# Altium PCB PCB1.PcbDoc (part 2 of 6)
Units mil, origin at the board's own origin, x right, y up, seen from the top; angles counter-clockwise.
Board outline 6000 x 4000 mil, 2 copper layers (Top Layer, Bottom Layer); 1225 components, 1503 nets, 4471 pads, 66 vias.
Unrouted connection lines stored in the file: 2021.
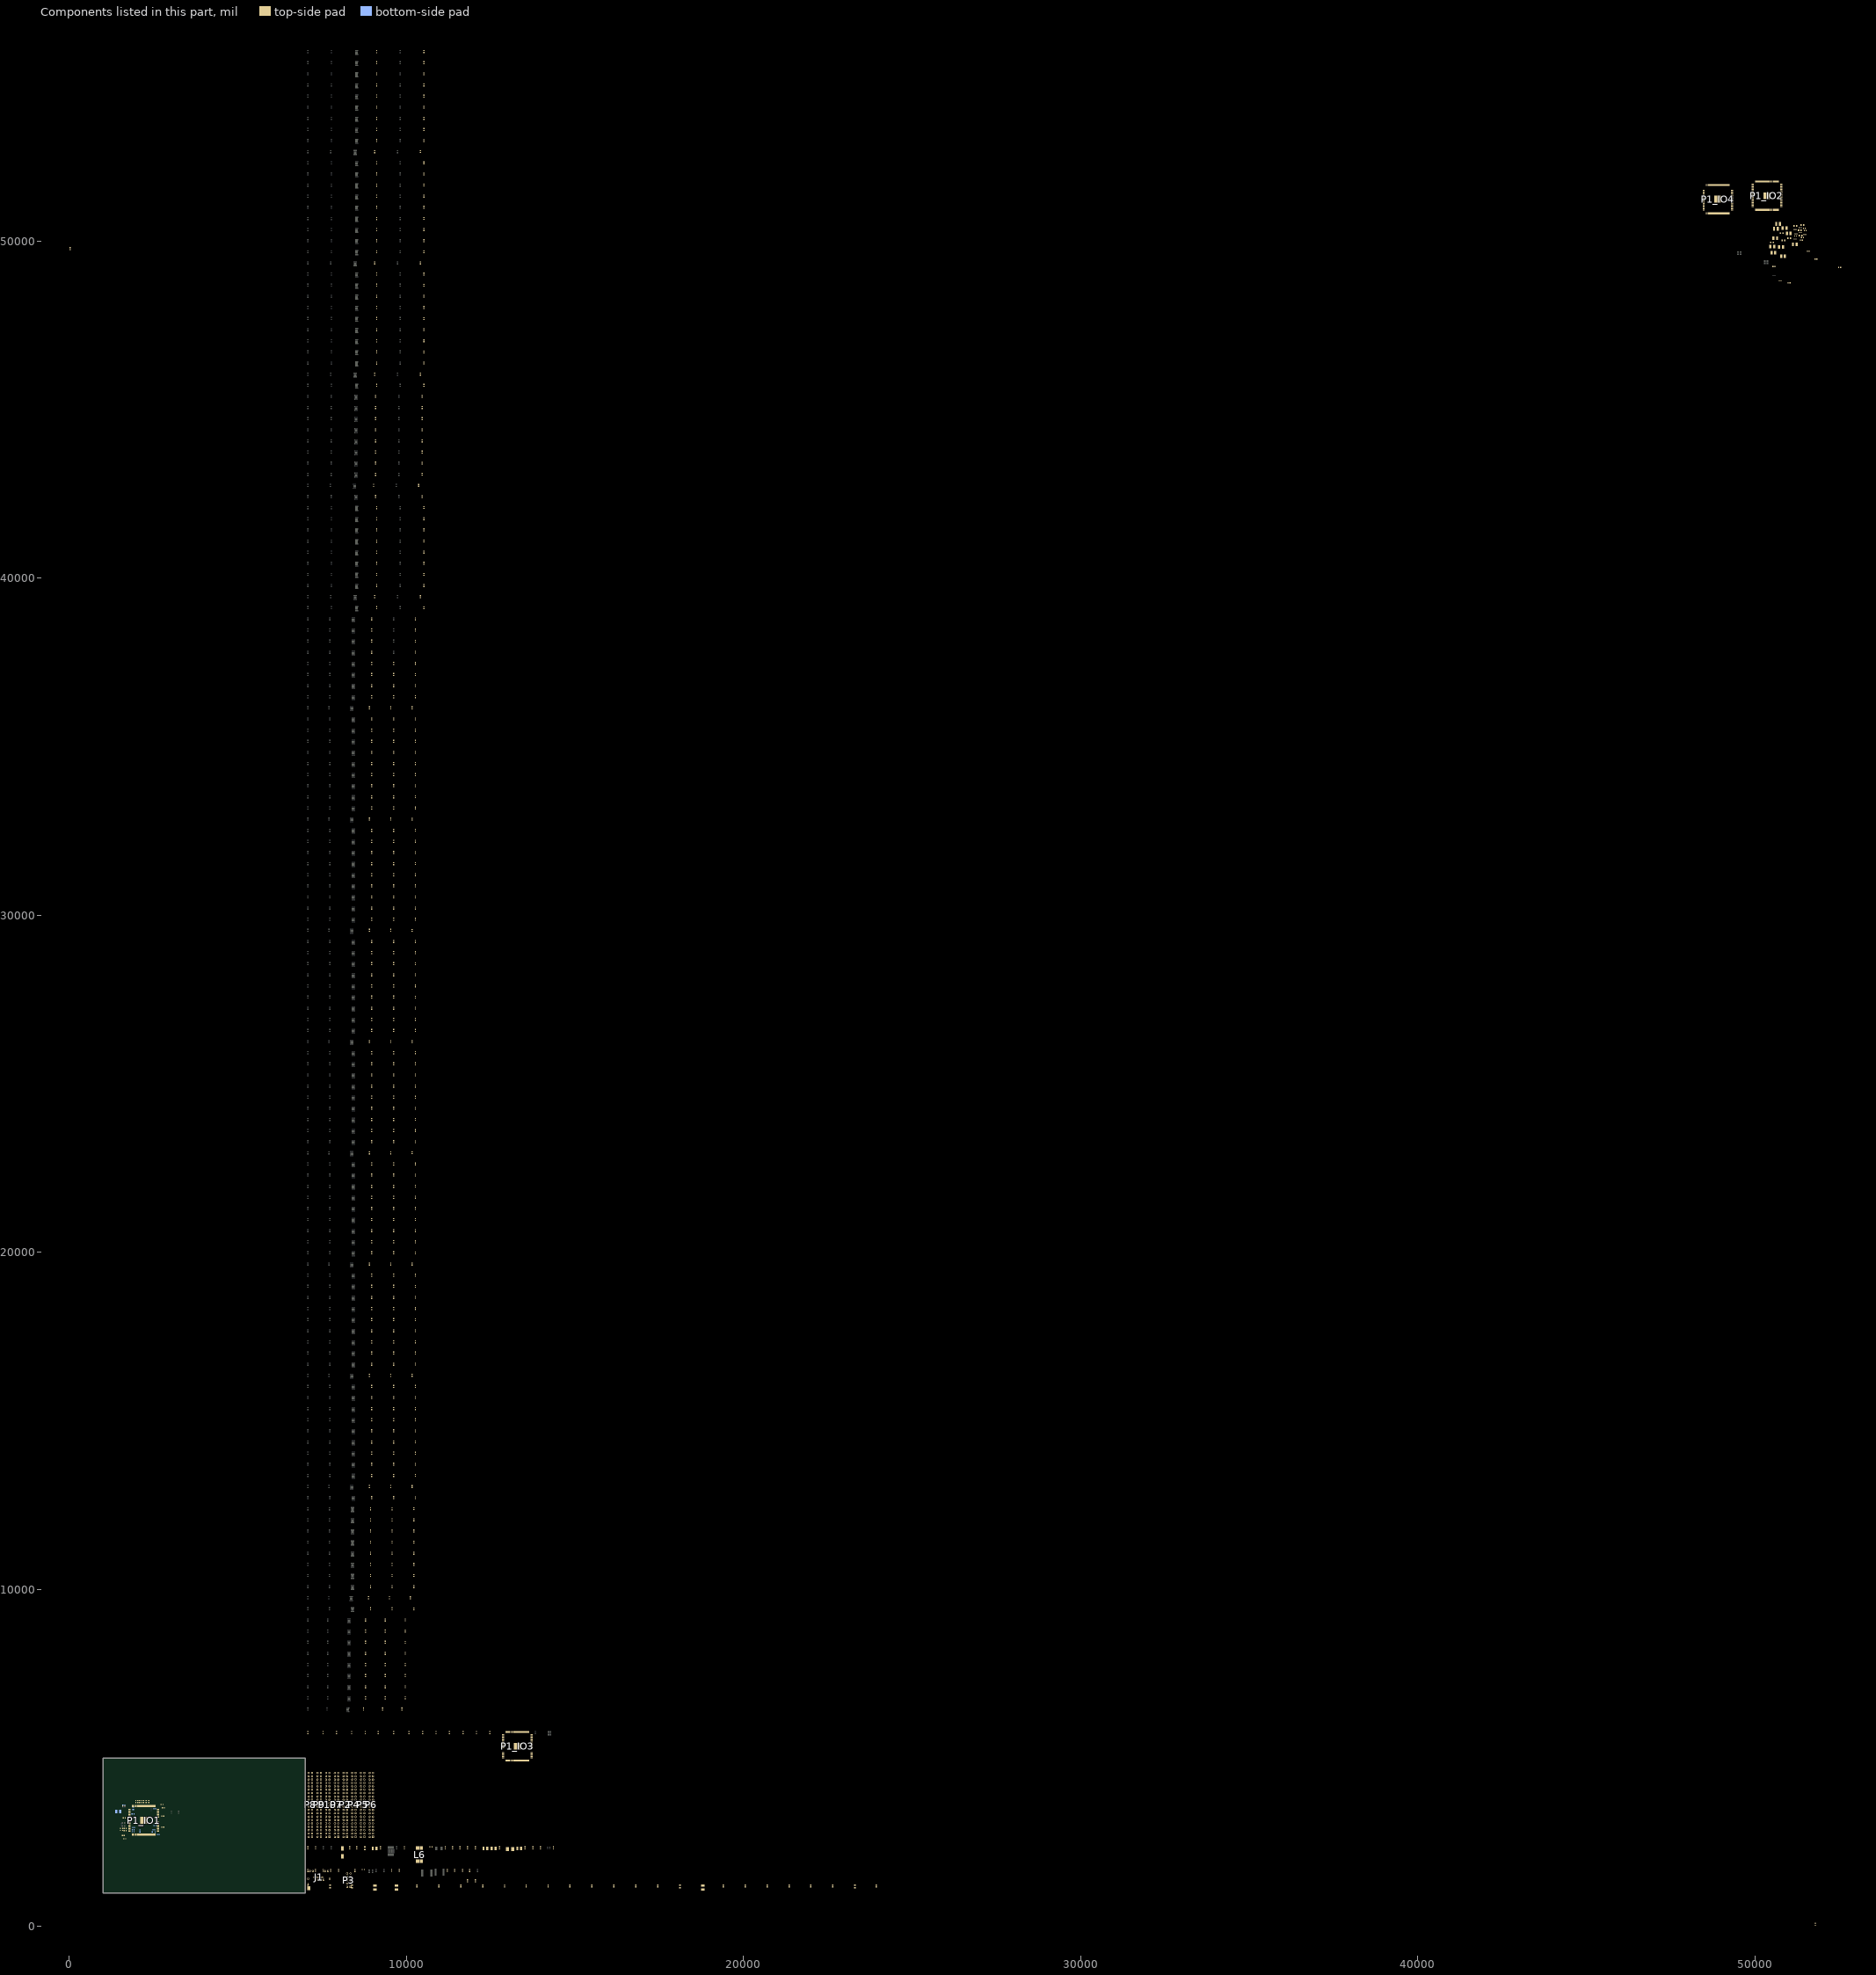
[diagram p2: the components of this part, seen from the top]

## Components (designator, comment, footprint, x,y, rotation, side; value= is the part's Value field where it differs from the comment) (continued)
C3_POWER3 "0.01uF/16V" 0603C 50564.5,49249.5 r0 top (schematic designator C3)
C3_POWER4 "0.01uF/16V" 0603C 50564.5,49249.5 r0 top (schematic designator C3)
C4_POWER1 "0.1uF/16V" 0603C 1897.56,2815 r0 bottom (schematic designator C4)
C4_POWER2 "0.1uF/16V" 0603C 50754.5,48824.5 r0 top (schematic designator C4)
C4_POWER3 "0.1uF/16V" 0603C 50754.5,48824.5 r0 top (schematic designator C4)
C4_POWER4 "0.1uF/16V" 0603C 50754.5,48824.5 r0 top (schematic designator C4)
C5_POWER1 "0.1uF/16V" 0603C 1620,3605 r0 bottom (schematic designator C5)
C5_POWER2 "0.1uF/16V" 0603C 7080,1120 r90 top (schematic designator C5)
C5_POWER3 "0.1uF/16V" 0603C 51335.5,50327.5 r0 top (schematic designator C5)
C5_POWER4 "0.1uF/16V" 0603C 51335.5,50327.5 r0 top (schematic designator C5)
C6_POWER1 "0.1uF/16V" 0603C 2537.44,3495 r180 bottom (schematic designator C6)
C6_POWER2 "0.1uF/16V" 0603C 50564.5,49249.5 r0 top (schematic designator C6)
C6_POWER3 "0.1uF/16V" 0603C 50564.5,49249.5 r0 top (schematic designator C6)
C6_POWER4 "0.1uF/16V" 0603C 50564.5,49249.5 r0 top (schematic designator C6)
C7_POWER1 "0.47uF/16V" 0603C 2510,2872 r0 bottom (schematic designator C7)
C7_POWER2 "0.47uF/16V" 0603C 50564.5,49249.5 r0 top (schematic designator C7)
C7_POWER3 "0.47uF/16V" 0603C 50564.5,49249.5 r0 top (schematic designator C7)
C7_POWER4 "0.47uF/16V" 0603C 50564.5,49249.5 r0 top (schematic designator C7)
C8_POWER1 "0.1uF/16V" 0603C 2550,2783 r90 bottom (schematic designator C8)
C8_POWER2 "0.1uF/16V" 0603C 51584.5,49704.5 r0 top (schematic designator C8)
C8_POWER3 "0.1uF/16V" 0603C 51584.5,49704.5 r0 top (schematic designator C8)
C8_POWER4 "0.1uF/16V" 0603C 51584.5,49704.5 r0 top (schematic designator C8)
C9_POWER1 "0.1uF/16V" 0603C 1897.44,2870 r0 bottom (schematic designator C9)
C9_POWER2 "0.1uF/16V" 0603C 51335.5,50327.5 r0 top (schematic designator C9)
C9_POWER3 "0.1uF/16V" 0603C 51335.5,50327.5 r0 top (schematic designator C9)
C9_POWER4 "0.1uF/16V" 0603C 51335.5,50327.5 r0 top (schematic designator C9)
C10_POWER1 "10uF/25V" 0805C 1900,3512.44 r270 bottom (schematic designator C10)
C10_POWER2 "10uF/25V" 0805C 51335.5,50327.5 r0 top (schematic designator C10)
C10_POWER3 "10uF/25V" 0805C 51335.5,50327.5 r0 top (schematic designator C10)
C10_POWER4 "10uF/25V" 0805C 51335.5,50327.5 r0 top (schematic designator C10)
C11_POWER1 "22uF/25V" 1210C 1454,3416 r0 bottom (schematic designator C11)
C11_POWER2 "22uF/25V" 1210C 50689.5,50514.5 r0 top (schematic designator C11)
C11_POWER3 "22uF/25V" 1210C 50689.5,50514.5 r0 top (schematic designator C11)
C11_POWER4 "22uF/25V" 1210C 50689.5,50514.5 r0 top (schematic designator C11)
C12_POWER1 "0.1uF/16V" 0603C 2641.44,2730 r0 bottom (schematic designator C12)
C12_POWER2 "0.1uF/16V" 0603C 51794.5,67.5 r270 top (schematic designator C12)
C12_POWER3 "0.1uF/16V" 0603C 51794.5,67.5 r270 top (schematic designator C12)
C12_POWER4 "0.1uF/16V" 0603C 51794.5,67.5 r270 top (schematic designator C12)
C13_POWER1 "0.1uF/16V" 0603C 1605,2705 r0 top (schematic designator C13)
C13_POWER2 "0.1uF/16V" 0603C 51335.5,50327.5 r0 top (schematic designator C13)
C13_POWER3 "0.1uF/16V" 0603C 51335.5,50327.5 r0 top (schematic designator C13)
C13_POWER4 "0.1uF/16V" 0603C 51335.5,50327.5 r0 top (schematic designator C13)
C14_POWER1 "0.01uF/16V" 0603C 2545,2995 r180 bottom (schematic designator C14)
C14_POWER2 "0.01uF/16V" 0603C 51335.5,50327.5 r0 top (schematic designator C14)
C14_POWER3 "0.01uF/16V" 0603C 51335.5,50327.5 r0 top (schematic designator C14)
C14_POWER4 "0.01uF/16V" 0603C 51335.5,50327.5 r0 top (schematic designator C14)
C15_POWER1 "0.1uF/16V" 0603C 2105,2835 r90 bottom (schematic designator C15)
C15_POWER2 "0.1uF/16V" 0603C 51335.5,50327.5 r0 top (schematic designator C15)
C15_POWER3 "0.1uF/16V" 0603C 51335.5,50327.5 r0 top (schematic designator C15)
C15_POWER4 "0.1uF/16V" 0603C 51335.5,50327.5 r0 top (schematic designator C15)
C16_POWER1 "0.1uF/16V" 0603C 1895,3340 r0 bottom (schematic designator C16)
C16_POWER2 "0.1uF/16V" 0603C 51335.5,50327.5 r0 top (schematic designator C16)
C16_POWER3 "0.1uF/16V" 0603C 51335.5,50327.5 r0 top (schematic designator C16)
C16_POWER4 "0.1uF/16V" 0603C 51335.5,50327.5 r0 top (schematic designator C16)
C17_POWER1 "0.1uF/16V" 0603C 2470,2780 r90 bottom (schematic designator C17)
C17_POWER2 "0.1uF/16V" 0603C 51814.5,49469.5 r0 top (schematic designator C17)
C17_POWER3 "0.1uF/16V" 0603C 51814.5,49469.5 r0 top (schematic designator C17)
C17_POWER4 "0.1uF/16V" 0603C 51814.5,49469.5 r0 top (schematic designator C17)
C18 "1uF/16V" 0603C 13755,2335 r90 top
C19 "22uF/25V" 1210C 13350,2320 r0 top
C20 "0.1uF/50V" 0603C 13525,2335 r90 top
C21 "1nF/63V" 0603C 12765,2335 r90 top
C22 "6.8nF/50V" 0603C 12045,2335 r90 top
C23_POWER1 "0.1uF/16V" 0603C 1910,2935 r180 bottom (schematic designator C23)
C23_POWER2 "0.1uF/16V" 0603C 51335.5,50327.5 r0 top (schematic designator C23)
C23_POWER3 "0.1uF/16V" 0603C 51335.5,50327.5 r0 top (schematic designator C23)
C23_POWER4 "0.1uF/16V" 0603C 51335.5,50327.5 r0 top (schematic designator C23)
C24_POWER1 "0.1uF/16V" 0603C 2795,3520 r180 top (schematic designator C24)
C24_POWER2 "0.1uF/16V" 0603C 51335.5,50327.5 r0 top (schematic designator C24)
C24_POWER3 "0.1uF/16V" 0603C 51335.5,50327.5 r0 top (schematic designator C24)
C24_POWER4 "0.1uF/16V" 0603C 51335.5,50327.5 r0 top (schematic designator C24)
C25 "10pF/50V" 0603C 11815,2335 r90 top
C26 "22uF/25V" 1210C 12345,2320 r0 top
C27 "22uF/25V" 1210C 12590,2320 r0 top
C28 "10uF/25V" 0805C 8770,2320 r90 top
C29 "22uF/25V" 1210C 9060,2320 r0 top
C30 "0.1uF/50V" 0603C 9235,2335 r90 top
C31 "0.1uF/50V" 0603C 8320,2335 r90 top
C32 "2.2uF/50V" 0603C 8530,2335 r90 top
C33 "10uF/63V" EEE-FN1J100L 8105,2200 r90 top
C34_VOLT1 "0.1uF/50V" 0603C 9870,6455 r90 top (schematic designator C34)
C34_VOLT2 "0.1uF/50V" 0603C 9970,6785 r90 top (schematic designator C34)
C34_VOLT3 "0.1uF/50V" 0603C 9970,7115 r90 top (schematic designator C34)
C34_VOLT4 "0.1uF/50V" 0603C 9970,7445 r90 top (schematic designator C34)
C34_VOLT5 "0.1uF/50V" 0603C 9970,7775 r90 top (schematic designator C34)
C34_VOLT6 "0.1uF/50V" 0603C 9970,8105 r90 top (schematic designator C34)
C34_VOLT7 "0.1uF/50V" 0603C 9970,8435 r90 top (schematic designator C34)
C34_VOLT8 "0.1uF/50V" 0603C 9970,8765 r90 top (schematic designator C34)
C34_VOLT9 "0.1uF/50V" 0603C 9970,9095 r90 top (schematic designator C34)
C34_VOLT10 "0.1uF/50V" 0603C 10220,9425 r90 top (schematic designator C34)
C34_VOLT11 "0.1uF/50V" 0603C 10120,9755 r90 top (schematic designator C34)
C34_VOLT12 "0.1uF/50V" 0603C 10220,10085 r90 top (schematic designator C34)
C34_VOLT13 "0.1uF/50V" 0603C 10220,10415 r90 top (schematic designator C34)
C34_VOLT14 "0.1uF/50V" 0603C 10220,10745 r90 top (schematic designator C34)
C34_VOLT15 "0.1uF/50V" 0603C 10220,11075 r90 top (schematic designator C34)
C34_VOLT16 "0.1uF/50V" 0603C 10220,11405 r90 top (schematic designator C34)
C34_VOLT17 "0.1uF/50V" 0603C 10220,11735 r90 top (schematic designator C34)
C34_VOLT18 "0.1uF/50V" 0603C 10220,12065 r90 top (schematic designator C34)
C34_VOLT19 "0.1uF/50V" 0603C 10220,12395 r90 top (schematic designator C34)
C34_VOLT20 "0.1uF/50V" 0603C 10270,12725 r90 top (schematic designator C34)
C34_VOLT21 "0.1uF/50V" 0603C 10170,13055 r90 top (schematic designator C34)
C34_VOLT22 "0.1uF/50V" 0603C 10270,13385 r90 top (schematic designator C34)
C34_VOLT23 "0.1uF/50V" 0603C 10270,13715 r90 top (schematic designator C34)
C34_VOLT24 "0.1uF/50V" 0603C 10270,14045 r90 top (schematic designator C34)
C34_VOLT25 "0.1uF/50V" 0603C 10270,14375 r90 top (schematic designator C34)
C34_VOLT26 "0.1uF/50V" 0603C 10270,14705 r90 top (schematic designator C34)
C34_VOLT27 "0.1uF/50V" 0603C 10270,15035 r90 top (schematic designator C34)
C34_VOLT28 "0.1uF/50V" 0603C 10270,15365 r90 top (schematic designator C34)
C34_VOLT29 "0.1uF/50V" 0603C 10270,15695 r90 top (schematic designator C34)
C34_VOLT30 "0.1uF/50V" 0603C 10270,16025 r90 top (schematic designator C34)
C34_VOLT31 "0.1uF/50V" 0603C 10170,16355 r90 top (schematic designator C34)
C34_VOLT32 "0.1uF/50V" 0603C 10270,16685 r90 top (schematic designator C34)
C34_VOLT33 "0.1uF/50V" 0603C 10270,17015 r90 top (schematic designator C34)
C34_VOLT34 "0.1uF/50V" 0603C 10270,17345 r90 top (schematic designator C34)
C34_VOLT35 "0.1uF/50V" 0603C 10270,17675 r90 top (schematic designator C34)
C34_VOLT36 "0.1uF/50V" 0603C 10270,18005 r90 top (schematic designator C34)
C34_VOLT37 "0.1uF/50V" 0603C 10270,18335 r90 top (schematic designator C34)
C34_VOLT38 "0.1uF/50V" 0603C 10270,18665 r90 top (schematic designator C34)
C34_VOLT39 "0.1uF/50V" 0603C 10270,18995 r90 top (schematic designator C34)
C34_VOLT40 "0.1uF/50V" 0603C 10270,19325 r90 top (schematic designator C34)
C34_VOLT41 "0.1uF/50V" 0603C 10170,19655 r90 top (schematic designator C34)
C34_VOLT42 "0.1uF/50V" 0603C 10270,19985 r90 top (schematic designator C34)
C34_VOLT43 "0.1uF/50V" 0603C 10270,20315 r90 top (schematic designator C34)
C34_VOLT44 "0.1uF/50V" 0603C 10270,20645 r90 top (schematic designator C34)
C34_VOLT45 "0.1uF/50V" 0603C 10270,20975 r90 top (schematic designator C34)
C34_VOLT46 "0.1uF/50V" 0603C 10270,21305 r90 top (schematic designator C34)
C34_VOLT47 "0.1uF/50V" 0603C 10270,21635 r90 top (schematic designator C34)
C34_VOLT48 "0.1uF/50V" 0603C 10270,21965 r90 top (schematic designator C34)
C34_VOLT49 "0.1uF/50V" 0603C 10270,22295 r90 top (schematic designator C34)
C34_VOLT50 "0.1uF/50V" 0603C 10270,22625 r90 top (schematic designator C34)
C34_VOLT51 "0.1uF/50V" 0603C 10170,22955 r90 top (schematic designator C34)
C34_VOLT52 "0.1uF/50V" 0603C 10270,23285 r90 top (schematic designator C34)
C34_VOLT53 "0.1uF/50V" 0603C 10270,23615 r90 top (schematic designator C34)
C34_VOLT54 "0.1uF/50V" 0603C 10270,23945 r90 top (schematic designator C34)
C34_VOLT55 "0.1uF/50V" 0603C 10270,24275 r90 top (schematic designator C34)
C34_VOLT56 "0.1uF/50V" 0603C 10270,24605 r90 top (schematic designator C34)
C34_VOLT57 "0.1uF/50V" 0603C 10270,24935 r90 top (schematic designator C34)
C34_VOLT58 "0.1uF/50V" 0603C 10270,25265 r90 top (schematic designator C34)
C34_VOLT59 "0.1uF/50V" 0603C 10270,25595 r90 top (schematic designator C34)
C34_VOLT60 "0.1uF/50V" 0603C 10270,25925 r90 top (schematic designator C34)
C34_VOLT61 "0.1uF/50V" 0603C 10170,26255 r90 top (schematic designator C34)
C34_VOLT62 "0.1uF/50V" 0603C 10270,26585 r90 top (schematic designator C34)
C34_VOLT63 "0.1uF/50V" 0603C 10270,26915 r90 top (schematic designator C34)
C34_VOLT64 "0.1uF/50V" 0603C 10270,27245 r90 top (schematic designator C34)
C34_VOLT65 "0.1uF/50V" 0603C 10270,27575 r90 top (schematic designator C34)
C34_VOLT66 "0.1uF/50V" 0603C 10270,27905 r90 top (schematic designator C34)
C34_VOLT67 "0.1uF/50V" 0603C 10270,28235 r90 top (schematic designator C34)
C34_VOLT68 "0.1uF/50V" 0603C 10270,28565 r90 top (schematic designator C34)
C34_VOLT69 "0.1uF/50V" 0603C 10270,28895 r90 top (schematic designator C34)
C34_VOLT70 "0.1uF/50V" 0603C 10270,29225 r90 top (schematic designator C34)
C34_VOLT71 "0.1uF/50V" 0603C 10170,29555 r90 top (schematic designator C34)
C34_VOLT72 "0.1uF/50V" 0603C 10270,29885 r90 top (schematic designator C34)
C34_VOLT73 "0.1uF/50V" 0603C 10270,30215 r90 top (schematic designator C34)
C34_VOLT74 "0.1uF/50V" 0603C 10270,30545 r90 top (schematic designator C34)
C34_VOLT75 "0.1uF/50V" 0603C 10270,30875 r90 top (schematic designator C34)
C34_VOLT76 "0.1uF/50V" 0603C 10270,31205 r90 top (schematic designator C34)
C34_VOLT77 "0.1uF/50V" 0603C 10270,31535 r90 top (schematic designator C34)
C34_VOLT78 "0.1uF/50V" 0603C 10270,31865 r90 top (schematic designator C34)
C34_VOLT79 "0.1uF/50V" 0603C 10270,32195 r90 top (schematic designator C34)
C34_VOLT80 "0.1uF/50V" 0603C 10270,32525 r90 top (schematic designator C34)
C34_VOLT81 "0.1uF/50V" 0603C 10170,32855 r90 top (schematic designator C34)
C34_VOLT82 "0.1uF/50V" 0603C 10270,33185 r90 top (schematic designator C34)
C34_VOLT83 "0.1uF/50V" 0603C 10270,33515 r90 top (schematic designator C34)
C34_VOLT84 "0.1uF/50V" 0603C 10270,33845 r90 top (schematic designator C34)
C34_VOLT85 "0.1uF/50V" 0603C 10270,34175 r90 top (schematic designator C34)
C34_VOLT86 "0.1uF/50V" 0603C 10270,34505 r90 top (schematic designator C34)
C34_VOLT87 "0.1uF/50V" 0603C 10270,34835 r90 top (schematic designator C34)
C34_VOLT88 "0.1uF/50V" 0603C 10270,35165 r90 top (schematic designator C34)
C34_VOLT89 "0.1uF/50V" 0603C 10270,35495 r90 top (schematic designator C34)
C34_VOLT90 "0.1uF/50V" 0603C 10270,35825 r90 top (schematic designator C34)
C34_VOLT91 "0.1uF/50V" 0603C 10170,36155 r90 top (schematic designator C34)
C34_VOLT92 "0.1uF/50V" 0603C 10270,36485 r90 top (schematic designator C34)
C34_VOLT93 "0.1uF/50V" 0603C 10270,36815 r90 top (schematic designator C34)
C34_VOLT94 "0.1uF/50V" 0603C 10270,37145 r90 top (schematic designator C34)
C34_VOLT95 "0.1uF/50V" 0603C 10270,37475 r90 top (schematic designator C34)
C34_VOLT96 "0.1uF/50V" 0603C 10270,37805 r90 top (schematic designator C34)
C34_VOLT97 "0.1uF/50V" 0603C 10270,38135 r90 top (schematic designator C34)
C34_VOLT98 "0.1uF/50V" 0603C 10270,38465 r90 top (schematic designator C34)
C34_VOLT99 "0.1uF/50V" 0603C 10270,38795 r90 top (schematic designator C34)
C34_VOLT100 "0.1uF/50V" 0603C 10520,39125 r90 top (schematic designator C34)
C34_VOLT101 "0.1uF/50V" 0603C 10420,39455 r90 top (schematic designator C34)
C34_VOLT102 "0.1uF/50V" 0603C 10520,39785 r90 top (schematic designator C34)
C34_VOLT103 "0.1uF/50V" 0603C 10520,40115 r90 top (schematic designator C34)
C34_VOLT104 "0.1uF/50V" 0603C 10520,40445 r90 top (schematic designator C34)
C34_VOLT105 "0.1uF/50V" 0603C 10520,40775 r90 top (schematic designator C34)
C34_VOLT106 "0.1uF/50V" 0603C 10520,41105 r90 top (schematic designator C34)
C34_VOLT107 "0.1uF/50V" 0603C 10520,41435 r90 top (schematic designator C34)
C34_VOLT108 "0.1uF/50V" 0603C 10520,41765 r90 top (schematic designator C34)
C34_VOLT109 "0.1uF/50V" 0603C 10520,42095 r90 top (schematic designator C34)
C34_VOLT110 "0.1uF/50V" 0603C 10470,42425 r90 top (schematic designator C34)
C34_VOLT111 "0.1uF/50V" 0603C 10370,42755 r90 top (schematic designator C34)
C34_VOLT112 "0.1uF/50V" 0603C 10470,43085 r90 top (schematic designator C34)
C34_VOLT113 "0.1uF/50V" 0603C 10470,43415 r90 top (schematic designator C34)
C34_VOLT114 "0.1uF/50V" 0603C 10470,43745 r90 top (schematic designator C34)
C34_VOLT115 "0.1uF/50V" 0603C 10470,44075 r90 top (schematic designator C34)
C34_VOLT116 "0.1uF/50V" 0603C 10470,44405 r90 top (schematic designator C34)
C34_VOLT117 "0.1uF/50V" 0603C 10470,44735 r90 top (schematic designator C34)
C34_VOLT118 "0.1uF/50V" 0603C 10470,45065 r90 top (schematic designator C34)
C34_VOLT119 "0.1uF/50V" 0603C 10470,45395 r90 top (schematic designator C34)
C34_VOLT120 "0.1uF/50V" 0603C 10520,45725 r90 top (schematic designator C34)
C34_VOLT121 "0.1uF/50V" 0603C 10420,46055 r90 top (schematic designator C34)
C34_VOLT122 "0.1uF/50V" 0603C 10520,46385 r90 top (schematic designator C34)
C34_VOLT123 "0.1uF/50V" 0603C 10520,46715 r90 top (schematic designator C34)
C34_VOLT124 "0.1uF/50V" 0603C 10520,47045 r90 top (schematic designator C34)
C34_VOLT125 "0.1uF/50V" 0603C 10520,47375 r90 top (schematic designator C34)
C34_VOLT126 "0.1uF/50V" 0603C 10520,47705 r90 top (schematic designator C34)
C34_VOLT127 "0.1uF/50V" 0603C 10520,48035 r90 top (schematic designator C34)
C34_VOLT128 "0.1uF/50V" 0603C 10520,48365 r90 top (schematic designator C34)
C34_VOLT129 "0.1uF/50V" 0603C 10520,48695 r90 top (schematic designator C34)
C34_VOLT130 "0.1uF/50V" 0603C 10520,49025 r90 top (schematic designator C34)
C34_VOLT131 "0.1uF/50V" 0603C 10420,49355 r90 top (schematic designator C34)
C34_VOLT132 "0.1uF/50V" 0603C 10520,49685 r90 top (schematic designator C34)
C34_VOLT133 "0.1uF/50V" 0603C 10520,50015 r90 top (schematic designator C34)
C34_VOLT134 "0.1uF/50V" 0603C 10520,50345 r90 top (schematic designator C34)
C34_VOLT135 "0.1uF/50V" 0603C 10520,50675 r90 top (schematic designator C34)
C34_VOLT136 "0.1uF/50V" 0603C 10520,51005 r90 top (schematic designator C34)
C34_VOLT137 "0.1uF/50V" 0603C 10520,51335 r90 top (schematic designator C34)
C34_VOLT138 "0.1uF/50V" 0603C 10520,51665 r90 top (schematic designator C34)
C34_VOLT139 "0.1uF/50V" 0603C 10520,51995 r90 top (schematic designator C34)
C34_VOLT140 "0.1uF/50V" 0603C 10520,52325 r90 top (schematic designator C34)
C34_VOLT141 "0.1uF/50V" 0603C 10420,52655 r90 top (schematic designator C34)
C34_VOLT142 "0.1uF/50V" 0603C 10520,52985 r90 top (schematic designator C34)
C34_VOLT143 "0.1uF/50V" 0603C 10520,53315 r90 top (schematic designator C34)
C34_VOLT144 "0.1uF/50V" 0603C 10520,53645 r90 top (schematic designator C34)
C34_VOLT145 "0.1uF/50V" 0603C 10520,53975 r90 top (schematic designator C34)
C34_VOLT146 "0.1uF/50V" 0603C 10520,54305 r90 top (schematic designator C34)
C34_VOLT147 "0.1uF/50V" 0603C 10520,54635 r90 top (schematic designator C34)
C34_VOLT148 "0.1uF/50V" 0603C 10520,54965 r90 top (schematic designator C34)
C34_VOLT149 "0.1uF/50V" 0603C 10520,55295 r90 top (schematic designator C34)
C34_VOLT150 "0.1uF/50V" 0603C 10520,55625 r90 top (schematic designator C34)
C35 "0.047uF/50V" 0603C 7080,2335 r90 top
C36 "10pF/50V" 0603C 7300,1665 r90 top
C37 "10pF/50V" 0603C 7530,1665 r90 top
C38 "10pF/50V" 0603C 7760,1665 r90 top
C39 "10pF/50V" 0603C 7990,1665 r90 top
C40 "0.1uF/50V" 0603C 11440,1665 r90 top
C41 "0.1uF/50V" 0603C 11670,1665 r90 top
C42 "0.1uF/50V" 0603C 11210,1665 r90 top
C43 "0.1uF/50V" 0603C 9565,1665 r90 top
C44 "0.1uF/50V" 0603C 9795,1665 r90 top
C45_POWER1 "0.1uF/16V" 0603C 51335.5,50327.5 r0 top (schematic designator C45)
C45_POWER2 "0.1uF/16V" 0603C 22644,1203 r90 top (schematic designator C45)
C45_POWER3 "0.1uF/16V" 0603C 51335.5,50327.5 r0 top (schematic designator C45)
C45_POWER4 "0.1uF/16V" 0603C 51335.5,50327.5 r0 top (schematic designator C45)
C46_POWER1 "10uF/25V" 0805C 51335.5,50327.5 r0 top (schematic designator C46)
C46_POWER2 "10uF/25V" 0805C 23303,1188 r90 top (schematic designator C46)
C46_POWER3 "10uF/25V" 0805C 51335.5,50327.5 r0 top (schematic designator C46)
C46_POWER4 "10uF/25V" 0805C 51335.5,50327.5 r0 top (schematic designator C46)
C47_POWER1 "0.47uF/16V" 0603C 51335.5,50327.5 r0 top (schematic designator C47)
C47_POWER2 "0.47uF/16V" 0603C 23943,1203 r90 top (schematic designator C47)
C47_POWER3 "0.47uF/16V" 0603C 51335.5,50327.5 r0 top (schematic designator C47)
C47_POWER4 "0.47uF/16V" 0603C 51335.5,50327.5 r0 top (schematic designator C47)
C48_POWER1 "0.1uF/16V" 0603C 51335.5,50327.5 r0 top (schematic designator C48)
C48_POWER2 "0.1uF/16V" 0603C 19404,1203 r90 top (schematic designator C48)
C48_POWER3 "0.1uF/16V" 0603C 51335.5,50327.5 r0 top (schematic designator C48)
C48_POWER4 "0.1uF/16V" 0603C 51335.5,50327.5 r0 top (schematic designator C48)
C49_POWER1 "0.1uF/16V" 0603C 51335.5,50327.5 r0 top (schematic designator C49)
C49_POWER2 "0.1uF/16V" 0603C 20054,1203 r90 top (schematic designator C49)
C49_POWER3 "0.1uF/16V" 0603C 51335.5,50327.5 r0 top (schematic designator C49)
C49_POWER4 "0.1uF/16V" 0603C 51335.5,50327.5 r0 top (schematic designator C49)
C50_POWER1 "0.1uF/16V" 0603C 51335.5,50327.5 r0 top (schematic designator C50)
C50_POWER2 "0.1uF/16V" 0603C 20704,1203 r90 top (schematic designator C50)
C50_POWER3 "0.1uF/16V" 0603C 51335.5,50327.5 r0 top (schematic designator C50)
C50_POWER4 "0.1uF/16V" 0603C 51335.5,50327.5 r0 top (schematic designator C50)
C51_POWER1 "0.1uF/16V" 0603C 51335.5,50327.5 r0 top (schematic designator C51)
C51_POWER2 "0.1uF/16V" 0603C 21354,1203 r90 top (schematic designator C51)
C51_POWER3 "0.1uF/16V" 0603C 51335.5,50327.5 r0 top (schematic designator C51)
C51_POWER4 "0.1uF/16V" 0603C 51335.5,50327.5 r0 top (schematic designator C51)
C52_POWER1 "0.1uF/16V" 0603C 51335.5,50327.5 r0 top (schematic designator C52)
C52_POWER2 "0.1uF/16V" 0603C 21994,1203 r90 top (schematic designator C52)
C52_POWER3 "0.1uF/16V" 0603C 51335.5,50327.5 r0 top (schematic designator C52)
C52_POWER4 "0.1uF/16V" 0603C 51335.5,50327.5 r0 top (schematic designator C52)
C53_POWER1 "0.01uF/16V" 0603C 51335.5,50327.5 r0 top (schematic designator C53)
C53_POWER2 "0.01uF/16V" 0603C 16805,1203 r90 top (schematic designator C53)